# KiCad board matrix-x02-x06.kicad_pcb (continued)
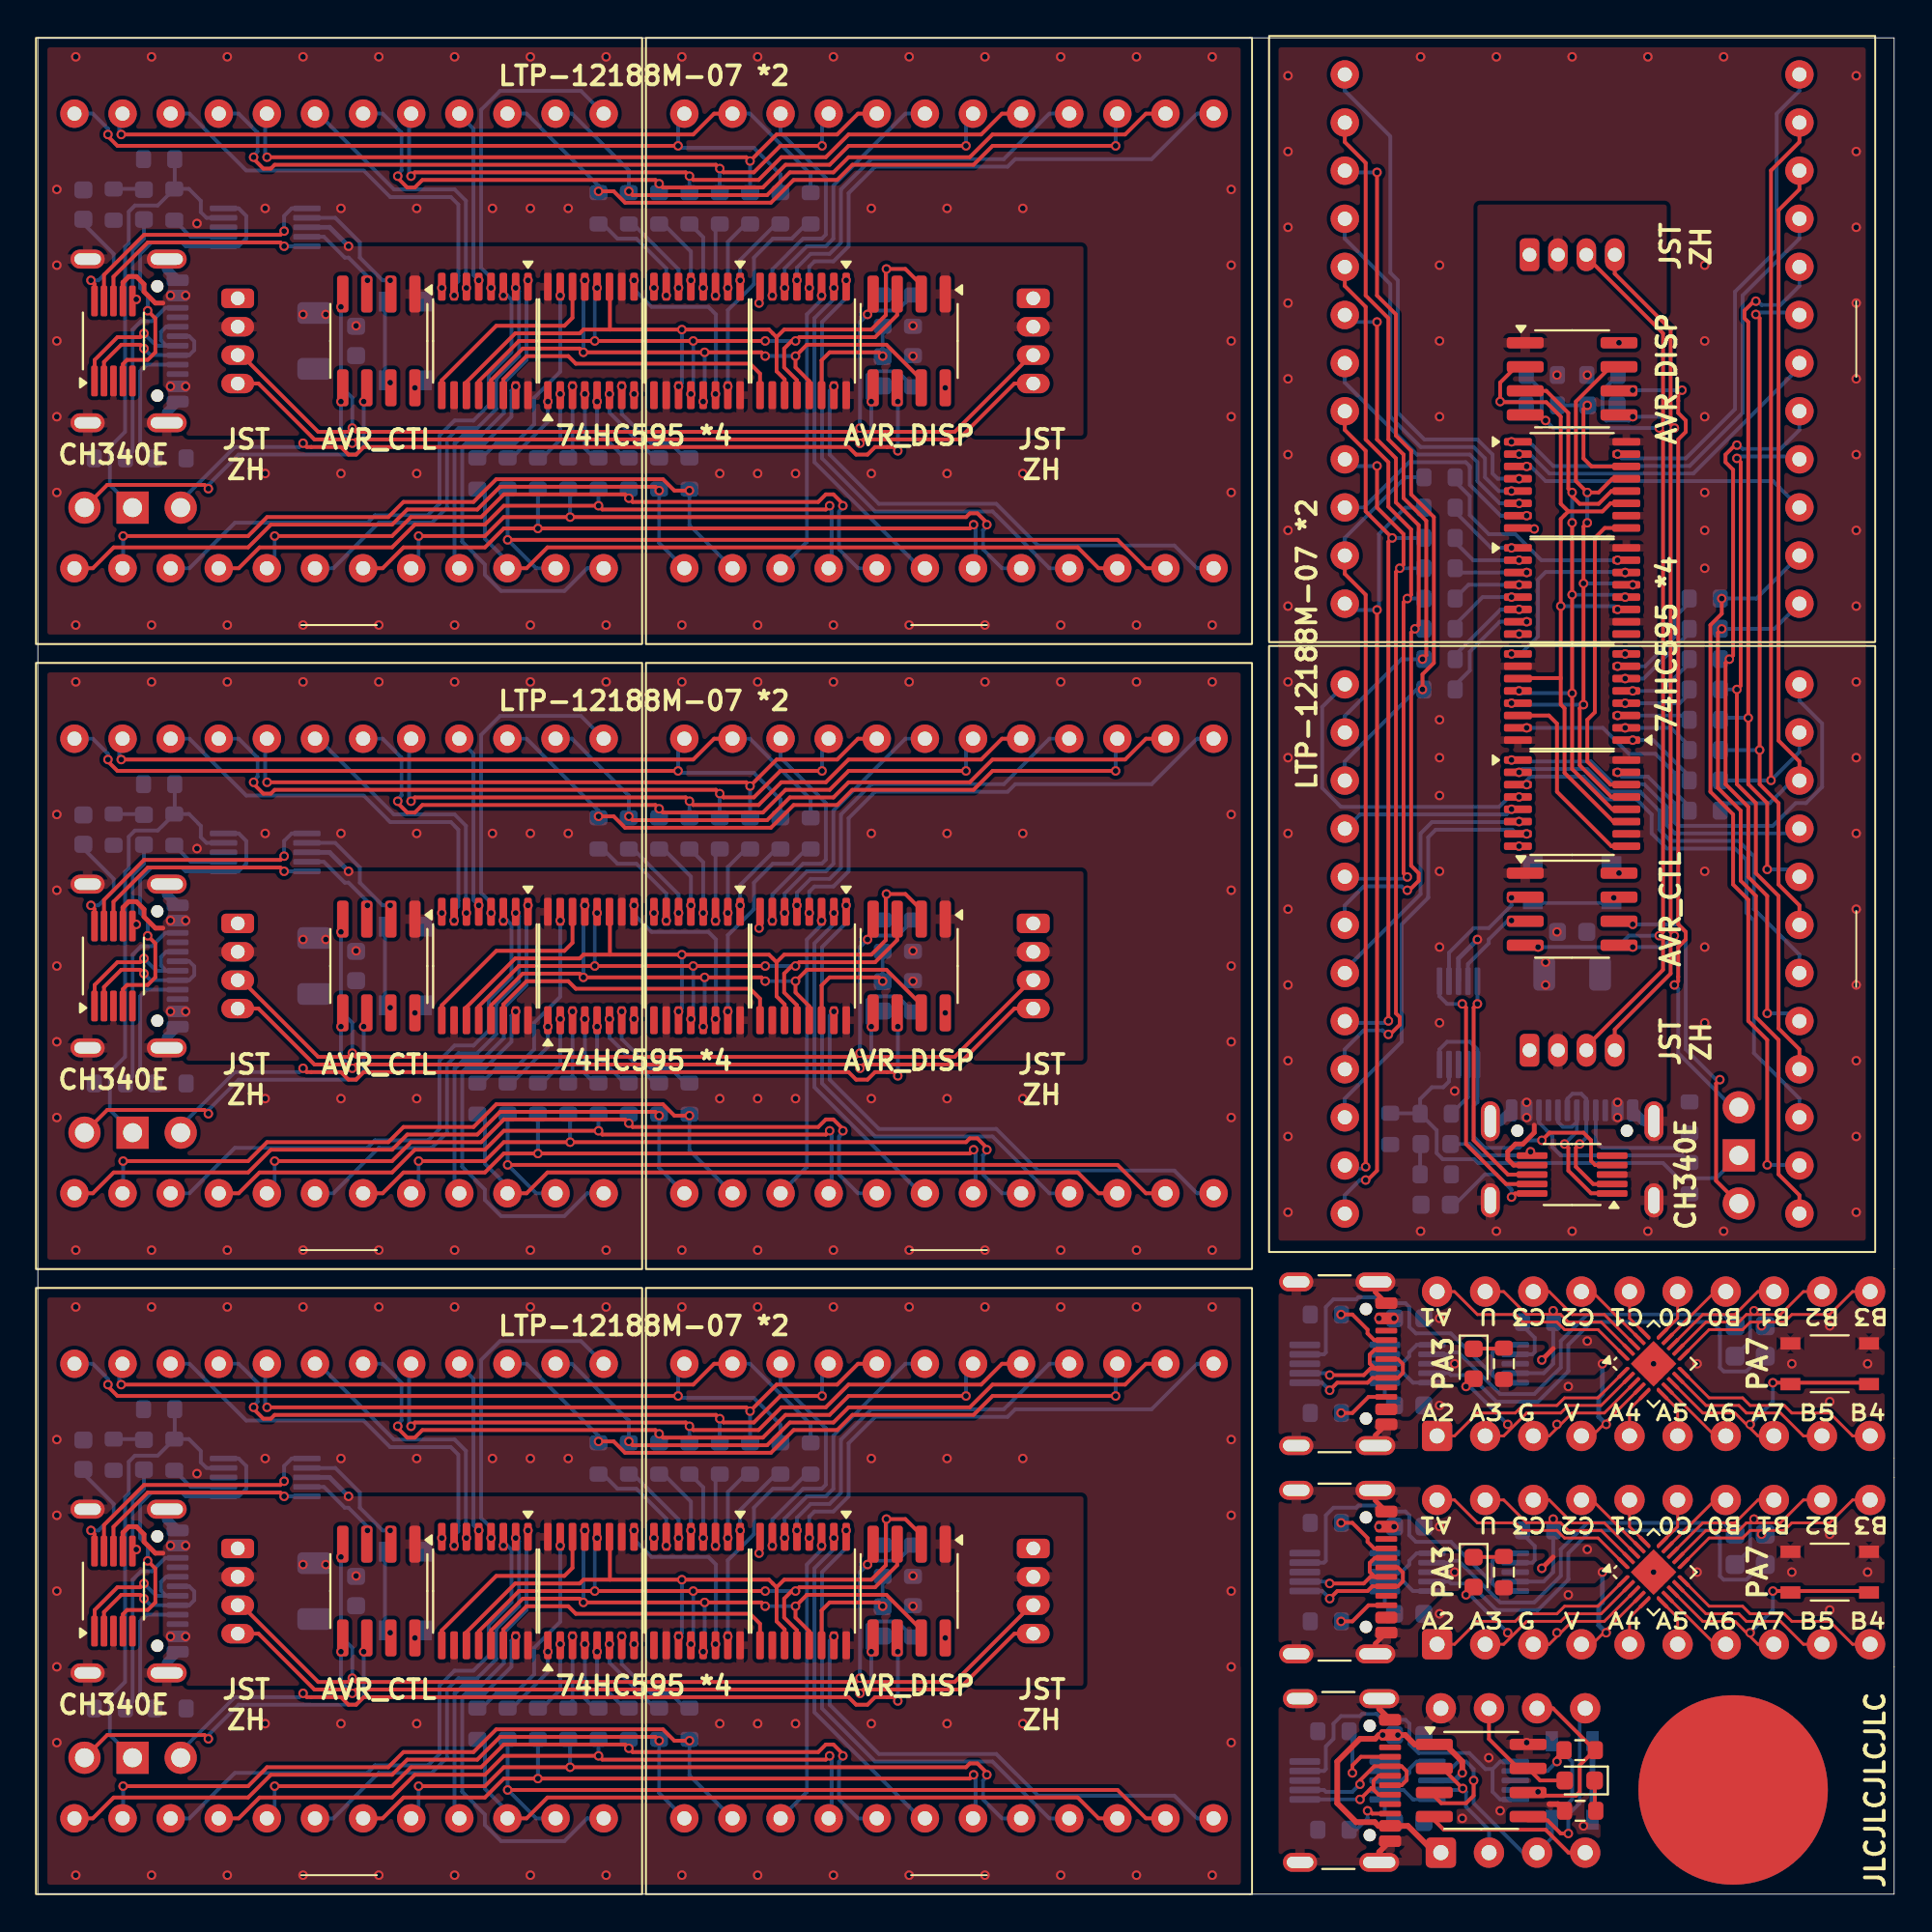
[diagram p0: board, top side]
## Routing (per net, layer and track width the routed paths; a pad name or vN(x,y) marks a point on that pad's centre or on a via; arc(x,y) is an arc through that point) (continued)
/ROW6: length 88.5
  Bottom w0.2: D1#7.6 93,49.6 90.6,52 90.6,54.8 89.8,55.6 86.2,55.6 85.6,56.2 85.6,57.2 84.6,58.2 83,58.2 81.8,59.4 78.38,59.4 v1(78.2,59.23) ; D1.6 15.6,37 18,39.4 20.8,39.4 21.6,40.2 21.6,43.8 22.2,44.4 23.2,44.4 24.2,45.4 24.2,47 25.4,48.2 25.4,51.62 v1(25.23,51.8) ; D1#5.6 15.6,70 18,72.4 20.8,72.4 21.6,73.2 21.6,76.8 22.2,77.4 23.2,77.4 24.2,78.4 24.2,80 25.4,81.2 25.4,84.62 v1(25.23,84.8) ; D1#6.6 15.6,4 18,6.4 20.8,6.4 21.6,7.2 21.6,10.8 22.2,11.4 23.2,11.4 24.2,12.4 24.2,14 25.4,15.2 25.4,18.62 v1(25.23,18.8)
/ROW7: length 70
  Bottom w0.2: v1(77.8,59.88) 77.88,59.8 82,59.8 83.2,58.6 84.8,58.6 86,57.4 86,56.43 86.4,56.03 86.4,56 92.75,56 D1#7.9 ; D1.9 22,37.25 22,43.6 22.03,43.6 22.43,44 23.4,44 24.6,45.2 24.6,46.8 25.8,48 25.8,52.12 v1(25.88,52.2) ; v1(25.88,19.2) 25.8,19.12 25.8,15 24.6,13.8 24.6,12.2 23.4,11 22.43,11 22.03,10.6 22,10.6 22,4.25 D1#6.9 ; D1#5.9 22,70.25 22,76.6 22.03,76.6 22.43,77 23.4,77 24.6,78.2 24.6,79.8 25.8,81 25.8,85.12 v1(25.88,85.2)
/ROW8: length 77.3
  Bottom w0.2: v1(25.23,13.6) 25,13.38 25,12 23.6,10.6 22.6,10.6 22.4,10.4 22.4,5.4 23.6,4.2 23.6,3.65 24.45,2.8 27.8,2.8 29,4 D1#6.12 ; D1.12 29,37 27.8,35.8 24.45,35.8 23.6,36.65 23.6,37.2 22.4,38.4 22.4,43.4 22.6,43.6 23.6,43.6 25,45 25,46.38 v1(25.23,46.6) ; v1(25.23,79.6) 25,79.38 25,78 23.6,76.6 22.6,76.6 22.4,76.4 22.4,71.4 23.6,70.2 23.6,69.65 24.45,68.8 27.8,68.8 29,70 D1#5.12 ; v1(83.4,59.23) 83.62,59 85,59 86.4,57.6 86.4,56.6 86.6,56.4 91.6,56.4 92.8,57.6 93.35,57.6 94.2,58.45 94.2,61.8 93,63 D1#7.12
/ROW9: length 49.3
  Bottom w0.2: D2#3.22 39.21,26.99 41.6,24.6 41.6,21.61 41.39,21.4 41.31,21.4 41.31,21.4 40.4,21.4 38.77,19.78 v1(38.77,18.4) ; v1(78.6,72.78) 77.22,72.78 75.6,74.4 75.6,75.31 75.6,75.31 75.6,75.39 75.39,75.6 72.4,75.6 70.01,73.21 D2#2.22 ; D2#4.22 39.21,92.99 41.6,90.6 41.6,87.61 41.39,87.4 41.31,87.4 41.31,87.4 40.4,87.4 38.77,85.78 v1(38.77,84.4) ; D2.22 39.21,59.99 41.6,57.6 41.6,54.61 41.39,54.4 41.31,54.4 41.31,54.4 40.4,54.4 38.77,52.78 v1(38.77,51.4)
/ROW10: length 53.8
  Bottom w0.2: D2#4.19 45.8,94 42,90.2 42,87.4 41.6,87 40.6,87 39.42,85.83 v1(39.42,84.8) ; D2#2.19 69,79.8 72.8,76 75.6,76 76,75.6 76,74.6 77.17,73.42 v1(78.2,73.42) ; D2#3.19 45.8,28 42,24.2 42,21.4 41.6,21 40.6,21 39.42,19.83 v1(39.42,18.8) ; v1(39.42,51.8) 39.42,52.83 40.6,54 41.6,54 42,54.4 42,57.2 45.8,61 D2.19
/ROW11: length 80.2
  Bottom w0.2: v1(77.8,74.08) 77.12,74.08 76.4,74.8 76.4,75.8 75.8,76.4 73,76.4 71.4,78 71.4,85 69,87.4 D2#2.16 ; D2#3.16 53.4,28 51,25.6 44,25.6 42.4,24 42.4,21.2 41.8,20.6 40.8,20.6 40.08,19.88 v1(40.08,19.2) ; D2.16 53.4,61 51,58.6 44,58.6 42.4,57 42.4,54.2 41.8,53.6 40.8,53.6 40.08,52.88 v1(40.08,52.2) ; D2#4.16 53.4,94 51,91.6 44,91.6 42.4,90 42.4,87.2 41.8,86.6 40.8,86.6 40.08,85.88 v1(40.08,85.2)
/ROW12: length 109.8
  Bottom w0.2: D2#4.13 61.2,94 58.8,91.6 51.6,91.6 51.2,91.2 44.2,91.2 42.8,89.8 42.8,87 42,86.2 41,86.2 40.73,85.92 v1(40.73,84.8) ; D2#2.13 69,95.2 71.4,92.8 71.4,85.6 71.8,85.2 71.8,78.2 73.2,76.8 76,76.8 76.8,76 76.8,75 77.08,74.72 v1(78.2,74.72) ; D2.13 61.2,61 58.8,58.6 51.6,58.6 51.2,58.2 44.2,58.2 42.8,56.8 42.8,54 42,53.2 41,53.2 40.73,52.92 v1(40.73,51.8) ; v1(40.73,18.8) 40.73,19.92 41,20.2 42,20.2 42.8,21 42.8,23.8 44.2,25.2 51.2,25.2 51.6,25.6 58.8,25.6 61.2,28 D2#3.13
/ROW13: length 61.2
  Bottom w0.2: D2#4.3 40.6,71.39 40.6,83.4 41.38,84.17 v1(41.38,84.4) ; D2.3 40.6,38.39 40.6,50.4 41.38,51.17 v1(41.38,51.4) ; v1(78.6,75.38) 78.83,75.38 79.6,74.6 91.61,74.6 D2#2.3 ; v1(41.38,18.4) 41.38,18.17 40.6,17.4 40.6,5.39 D2#3.3
/ROW14: length 71.1
  Bottom w0.2: D2#2.6 93,80.6 87.4,75 79.8,75 78.78,76.03 v1(78.2,76.03) ; D2.6 46.6,37 41,42.6 41,50.2 42.02,51.22 v1(42.02,51.8) ; D2#3.6 46.6,4 41,9.6 41,17.2 42.02,18.22 v1(42.02,18.8) ; D2#4.6 46.6,70 41,75.6 41,83.2 42.02,84.22 v1(42.02,84.8)
/ROW15: length 101.5
  Bottom w0.2: D2#4.9 53.4,70 50.4,73 44.2,73 41.4,75.8 41.4,83 42.67,84.28 v1(42.67,85.2) ; D2#3.9 53.4,4 50.4,7 44.2,7 41.4,9.8 41.4,17 42.67,18.28 v1(42.67,19.2) ; v1(77.8,76.67) 78.72,76.67 80,75.4 87.2,75.4 90,78.2 90,84.4 93,87.4 D2#2.9 ; v1(42.67,52.2) 42.67,51.28 41.4,50 41.4,42.8 44.2,40 50.4,40 53.4,37 D2.9
/ROW16: length 105.8
  Bottom w0.2: D2#2.12 93,95.2 91.8,94 91.8,86.8 89.6,84.6 89.6,78.4 87,75.8 83.62,75.8 v1(83.4,76.03) ; v1(42.02,46.6) 41.8,46.38 41.8,43 44.4,40.4 50.6,40.4 52.8,38.2 60,38.2 61.2,37 D2.12 ; v1(42.02,13.6) 41.8,13.38 41.8,10 44.4,7.4 50.6,7.4 52.8,5.2 60,5.2 61.2,4 D2#3.12 ; D2#4.12 61.2,70 60,71.2 52.8,71.2 50.6,73.4 44.4,73.4 41.8,76 41.8,79.38 v1(42.02,79.6)
/RTS#: length 68.2
  Top w0.2: U8#3.4 4.49,47.78 4.71,48 5.8,48 6.2,48.4 6.2,50.19 v1(5.8,50.6) ; U8#4.4 82.22,38.49 82,38.71 82,39.8 81.6,40.2 79.81,40.2 v1(79.4,39.8) ; v1(5.8,83.6) 6.2,83.19 6.2,81.4 5.8,81 4.71,81 4.49,80.78 U8#2.4 ; v1(5.8,17.6) 6.2,17.19 6.2,15.4 5.8,15 4.71,15 4.49,14.78 U8.4
  Bottom w0.2: U7#4.5 10.6,89 11,88.6 11,87.4 10.6,87 U7#4.1 7.81,87 7.61,87.2 6,87.2 5.4,86.6 5.4,84.8 5.8,84.4 5.8,83.78 5.8,83.78 v1(5.8,83.6) ; U7#3.5 10.6,56 11,55.6 11,54.4 10.6,54 U7#3.1 7.81,54 7.61,54.2 6,54.2 5.4,53.6 5.4,51.8 5.8,51.4 5.8,50.78 5.8,50.78 v1(5.8,50.6) ; U7#2.5 74,44.6 74.4,45 75.6,45 76,44.6 U7#2.1 76,41.81 75.8,41.61 75.8,40 76.4,39.4 78.2,39.4 78.6,39.8 79.22,39.8 79.22,39.8 v1(79.4,39.8) ; U7.5 10.6,23 11,22.6 11,21.4 10.6,21 U7.1 7.81,21 7.61,21.2 6,21.2 5.4,20.6 5.4,18.8 5.8,18.4 5.8,17.78 5.8,17.78 v1(5.8,17.6)
/RXD_AVR: length 17.1
  Bottom w0.2: U7#4.9 15.1,87.5 16.2,86.4 16.4,86.4 17.4,85.4 v1(17.4,85.2) ; U7#2.9 75.5,49.1 76.6,50.2 76.6,50.4 77.6,51.4 v1(77.8,51.4) ; v1(17.4,19.2) 17.4,19.4 16.4,20.4 16.2,20.4 15.1,21.5 U7.9 ; v1(17.4,52.2) 17.4,52.4 16.4,53.4 16.2,53.4 15.1,54.5 U7#3.9
/RXD_USB: length 56
  Top w0.2: U8#3.9 3.49,52.49 5.6,54.6 12.8,54.6 v1(13,54.8) ; v1(13,21.8) 12.8,21.6 5.6,21.6 3.49,19.49 U8.9 ; U8#2.9 3.49,85.49 5.6,87.6 12.8,87.6 v1(13,87.8) ; U8#4.9 77.51,37.49 75.4,39.6 75.4,46.8 v1(75.2,47)
  Bottom w0.2: v1(13,21.8) 13,22.6 13.4,23 U7.6 ; v1(75.2,47) 74.4,47 74,47.4 U7#2.6 ; v1(13,54.8) 13,55.6 13.4,56 U7#3.6 ; v1(13,87.8) 13,88.6 13.4,89 U7#4.6
/SCL: length 215.9
  Top w0.2: J1#5.4 11.65,46.75 14.6,43.8 16.4,43.8 v1(16.6,43.6) 16.8,43.8 43.2,43.8 v1(43.4,43.6) 43.6,43.8 45,43.8 48.6,43.8 51.55,46.75 J2#7.4 ; J2#5.4 51.55,13.75 48.6,10.8 45,10.8 43.6,10.8 v1(43.4,10.6) 43.2,10.8 16.8,10.8 v1(16.6,10.6) 16.4,10.8 14.6,10.8 11.65,13.75 J1#4.4 ; J1#6.4 83.25,45.65 86.2,48.6 86.2,50.4 v1(86.4,50.6) 86.2,50.8 86.2,77.2 v1(86.4,77.4) 86.2,77.6 86.2,79 86.2,79 86.2,82.6 83.25,85.55 J2#4.4 ; J1#3.4 11.65,79.75 14.6,76.8 16.4,76.8 v1(16.6,76.6) 16.8,76.8 43.2,76.8 v1(43.4,76.6) 43.6,76.8 45,76.8 48.6,76.8 51.55,79.75 J2#6.4
  Bottom w0.2: 46.2,79.58 45.38,80.4 44,80.4 43.8,80.2 43.8,79 v1(44,78.8) 44,77.2 v1(43.4,76.6) ; v1(16,78.8) 16,77.2 v1(16.6,76.6) ; v1(16.6,10.6) 16,11.2 v1(16,12.8) ; R19#2.1 45.38,14.4 44,14.4 43.8,14.2 43.8,13 v1(44,12.8) 44,11.2 v1(43.4,10.6) ; v1(16.6,43.6) 16,44.2 v1(16,45.8) ; v1(43.4,43.6) 44,44.2 v1(44,45.8) 43.8,46 43.8,47.2 44,47.4 45.38,47.4 R19#3.1 ; v1(86.4,50.6) 85.8,50 v1(84.2,50) ; v1(86.4,77.4) 85.8,78 v1(84.2,78) 84,77.8 82.8,77.8 82.6,78 82.6,79.38 R19#4.1
/SDA: length 245.3
  Top w0.2: J2#4.3 81.75,86.45 85.8,82.4 85.8,77.6 v1(85.6,77.4) 85.8,77.2 85.8,50.8 v1(85.6,50.6) 85.8,50.4 85.8,48.8 81.75,44.75 J1#6.3 ; J2#7.3 52.45,48.25 48.4,44.2 43.6,44.2 v1(43.4,44.4) 43.2,44.2 16.8,44.2 v1(16.6,44.4) 16.4,44.2 14.8,44.2 10.75,48.25 J1#5.3 ; J2#5.3 52.45,15.25 48.4,11.2 43.6,11.2 v1(43.4,11.4) 43.2,11.2 16.8,11.2 v1(16.6,11.4) 16.4,11.2 14.8,11.2 10.75,15.25 J1#4.3 ; J2#6.3 52.45,81.25 48.4,77.2 43.6,77.2 v1(43.4,77.4) 43.2,77.2 16.8,77.2 v1(16.6,77.4) 16.4,77.2 14.8,77.2 10.75,81.25 J1#3.3
  Bottom w0.2: v1(43.4,77.4) 43.4,83 v1(43.8,83.4) 44,83.6 45.38,83.6 46.2,84.42 ; v1(43.4,11.4) 43.4,17 v1(43.8,17.4) 44,17.6 45.38,17.6 R18#3.1 ; v1(85.6,50.6) 84,50.6 83.4,50 v1(79.2,50) ; v1(16,50.8) 16,46.6 16.6,46 v1(16.6,44.4) ; v1(43.4,44.4) 43.4,50 v1(43.8,50.4) 44,50.6 45.38,50.6 R18.1 ; R18#4.1 79.4,79.38 79.4,78 v1(79.6,77.8) 80,77.4 v1(85.6,77.4) ; v1(16,83.8) 16,79.6 16.6,79 v1(16.6,77.4) ; v1(16.6,11.4) 16.6,13 16,13.6 v1(16,17.8)
/SER: length 27.7
  Top w0.2: v1(44.6,15.2) 44.4,15.4 41.8,15.4 41.38,14.97 U4#3.14 ; U4#2.14 41.38,80.97 41.8,81.4 44.4,81.4 v1(44.6,81.2) ; v1(44.6,48.2) 44.4,48.4 41.8,48.4 41.38,47.97 U4#4.14 ; v1(81.8,78.6) 81.6,78.4 81.6,75.8 82.03,75.38 U4.14
  Bottom w0.2: C1.1 44.6,16.78 ; C1#2.1 R17.2 ; C1#5.1 44.6,49.78 ; C1#3.1 80.22,78.6
/SERCLK: length 158.8
  Top w0.2: U3#3.11 22.62,13.83 25.2,16.4 28.6,16.4 28.8,16.6 v1(34,16.6) 38.6,16.6 39,16.2 ; 39,82.2 39,80.4 39.42,79.97 U4#2.11 ; 39,82.2 39.4,82.6 44,82.6 44.76,83.36 44.76,85.76 v1(44.8,85.8) 45.8,85.8 46.64,84.97 U5#3.2 ; 39,82.2 38.6,82.6 v1(34,82.6) 28.8,82.6 28.6,82.4 25.2,82.4 22.62,79.83 U3#4.11 ; U5.2 46.64,18.97 45.8,19.8 v1(44.8,19.8) 44.76,19.76 44.76,17.36 44,16.6 39.4,16.6 39,16.2 ; 80.8,73 80.4,72.6 v1(80.4,68) 80.4,62.8 80.6,62.6 80.6,59.2 83.17,56.62 U3#2.11 ; 80.8,73 80.4,73.4 80.4,78 79.64,78.76 77.24,78.76 v1(77.2,78.8) 77.2,79.8 78.03,80.63 U5#4.2 ; 80.8,73 82.6,73 83.03,73.42 U4.11 ; 30.2,82.6 30.2,84.84 U2#4.11 ; 39,16.2 39,14.4 39.42,13.97 U4#3.11 ; U2#2.11 30.2,18.84 30.2,16.6 ; 30.2,49.6 30.2,51.84 U2.11 ; 39,49.2 39,47.4 39.42,46.97 U4#4.11 ; 39,49.2 38.6,49.6 v1(34,49.6) 28.8,49.6 28.6,49.4 25.2,49.4 22.62,46.83 U3.11 ; 39,49.2 39.4,49.6 44,49.6 44.76,50.36 44.76,52.76 v1(44.8,52.8) 45.8,52.8 46.64,51.97 U5#2.2 ; 80.4,64.2 78.16,64.2 U2#3.11
  Bottom w0.2: v1(34,16.6) 34,13.78 v1(33.83,13.6) ; v1(44.8,52.8) 44.8,51.42 ; v1(77.2,78.8) 78.58,78.8 ; v1(34,49.6) 34,46.78 v1(33.83,46.6) ; v1(44.8,19.8) 44.8,18.42 ; v1(34,82.6) 34,79.78 v1(33.83,79.6) ; v1(83.4,67.83) 83.22,68 v1(80.4,68) ; v1(44.8,85.8) 44.8,84.42
/TNOW: length 19.1
  Top w0.2: v1(5.2,18.2) 5.11,18.11 U8.6 ; U8#4.6 78.89,39.11 v1(78.8,39.2) ; U8#3.6 5.11,51.11 v1(5.2,51.2) ; v1(5.2,84.2) 5.11,84.11 U8#2.6
  Bottom w0.2: v1(78.8,39.2) 78.72,39.11 78.72,39.11 78.6,39 76.2,39 75.6,39.6 D3#2.2 ; v1(5.2,51.2) 5.11,51.28 5.11,51.28 5,51.4 5,53.8 5.6,54.4 D3#4.2 ; D3#3.2 5.6,21.4 5,20.8 5,18.4 5.11,18.28 5.11,18.28 v1(5.2,18.2) ; v1(5.2,84.2) 5.11,84.28 5.11,84.28 5,84.4 5,86.8 5.6,87.4 D3.2
/TXD_AVR: length 24.9
  Bottom w0.2: v1(18.6,52.2) 18.2,52.2 17,53.4 17,54.2 15.7,55.5 U7#3.7 ; U7#4.7 15.7,88.5 17,87.2 17,86.4 18.2,85.2 v1(18.6,85.2) ; U7.7 15.7,22.5 17,21.2 17,20.4 18.2,19.2 v1(18.6,19.2) ; U7#2.7 74.5,49.7 75.8,51 76.6,51 77.8,52.2 v1(77.8,52.6)
/TXD_USB: length 49.3
  Top w0.2: v1(13,21) 12.8,21.2 5.8,21.2 3.99,19.39 U8.8 ; U8#3.8 3.99,52.39 5.8,54.2 12.8,54.2 v1(13,54) ; U8#4.8 77.61,37.99 75.8,39.8 75.8,46.8 v1(76,47) ; U8#2.8 3.99,85.39 5.8,87.2 12.8,87.2 v1(13,87)
  Bottom w0.2: v1(13,87) U7#4.10 ; v1(13,54) U7#3.10 ; v1(13,21) U7.10 ; v1(76,47) U7#2.10
BTN: length 16.6
  Bottom w0.2: SW1#3.1 SW1#3.1 ; SW1#6.1 SW1#6.1 ; SW1#4.1 SW1#4.1 ; SW1#5.1 SW1#5.1
  vias: v1(18.6,79.8) v1(18.6,46.8) v1(18.6,13.8) v1(83.2,52.6)
D+: length 55.8
  Top w0.2: v1(5.6,82.4) 5.4,82.2 4.2,82.2 3,81 3,79.9 U8#2.1 ; U8.1 3,13.9 3,15 4.2,16.2 5.4,16.2 v1(5.6,16.4) ; J3.B6 70.78,5.25 70.51,5.52 ; v1(69.8,5) 70.4,5.6 70.43,5.6 70.51,5.52 ; v1(5.6,49.4) 5.4,49.2 4.2,49.2 3,48 3,46.9 U8#3.1 ; v1(68.2,15.6) 68.6,16 70.2,16 70.45,16.25 J2#3.B6 71.8,16.25 72.07,16.52 72.07,16.98 71.8,17.25 J2#3.A6 ; 70.51,5.52 70.51,5.98 70.78,6.25 J3.A6 ; U8#4.1 83.1,37 82,37 80.8,38.2 80.8,39.4 v1(80.6,39.6) ; v1(68.2,26.6) 68.6,27 70.2,27 70.45,27.25 J2.B6 71.8,27.25 72.07,27.52 72.07,27.98 71.8,28.25 J2.A6
  Bottom w0.2: J3#4.B6 6.77,82.75 6.5,82.48 6.5,82.02 6.77,81.75 J3#4.A6 6.25,81.75 v1(5.6,82.4) ; v1(5.6,16.4) 6.25,15.75 J3#5.A6 6.77,15.75 6.5,16.02 6.5,16.48 6.77,16.75 J3#5.B6 ; v1(69.8,5) U2#7.1 ; J3#3.B6 6.77,49.75 6.5,49.48 6.5,49.02 6.77,48.75 J3#3.A6 6.25,48.75 v1(5.6,49.4) ; v1(80.6,39.6) 81.25,40.25 J3#2.A6 81.25,40.77 80.98,40.5 80.52,40.5 80.25,40.77 J3#2.B6 ; U2#6.1 67.8,27 v1(68.2,26.6) ; v1(68.2,15.6) 67.8,16 U2#5.1
D-: length 53.3
  Top w0.2: v1(5.6,48.6) 5.4,48.8 4.4,48.8 3.49,47.89 U8#3.2 ; v1(69.8,5.8) 69.8,6 70.55,6.75 J3.B7 72,6.75 72.27,6.48 72.27,6.02 72,5.75 J3.A7 ; v1(68.2,16.4) 70,16.4 70.35,16.75 J2#3.A7 70.58,16.75 70.31,17.02 70.31,17.48 70.58,17.75 J2#3.B7 ; v1(81.4,39.6) 81.2,39.4 81.2,38.4 82.11,37.49 U8#4.2 ; v1(5.6,15.6) 5.4,15.8 4.4,15.8 3.49,14.89 U8.2 ; v1(5.6,81.6) 5.4,81.8 4.4,81.8 3.49,80.89 U8#2.2 ; J2.B7 70.58,28.75 70.31,28.48 70.31,28.02 70.58,27.75 J2.A7 70.35,27.75 70,27.4 v1(68.2,27.4)
  Bottom w0.2: J3#5.A7 7.99,16.25 8.26,15.98 8.26,15.52 7.99,15.25 J3#5.B7 5.95,15.25 v1(5.6,15.6) ; J3#3.A7 7.99,49.25 8.26,48.98 8.26,48.52 7.99,48.25 J3#3.B7 5.95,48.25 v1(5.6,48.6) ; v1(68.2,16.4) 68.1,16.5 U2#5.2 ; v1(81.4,39.6) 81.75,39.95 J3#2.B7 81.75,41.99 81.48,42.26 81.02,42.26 80.75,41.99 J3#2.A7 ; U2#7.2 67.9,5.5 68,5.4 69.4,5.4 v1(69.8,5.8) ; U2#6.2 68.1,27.5 v1(68.2,27.4) ; v1(5.6,81.6) 5.95,81.25 J3#4.B7 7.99,81.25 8.26,81.52 8.26,81.98 7.99,82.25 J3#4.A7
PA1: length 31.1
  Top w0.15: J1#2.20 74.79,31.81 76,30.6 78,30.6 78.4,30.2 80.2,30.2 80.6,29.8 82.37,29.8 U1#5.20 ; J1.20 74.79,20.81 76,19.6 78,19.6 78.4,19.2 80.2,19.2 80.6,18.8 82.37,18.8 U1#6.20
  Top w0.2: 73.72,3.89 74.22,3.4 79.6,3.4 80.81,2.19 J2#2.4
PA2: length 31.8
  Top w0.15: U1#6.1 82.37,15.2 80.6,15.2 80.2,14.8 78.4,14.8 78,14.4 76,14.4 74.79,13.19 J1.1 ; J1#2.1 74.79,24.19 76,25.4 78,25.4 78.4,25.8 80.2,25.8 80.6,26.2 82.37,26.2 U1#5.1
  Top w0.2: 78.67,3.89 79.7,3.89 80.4,3.2 v1(80.8,3.2)
  Bottom w0.2: v1(80.8,3.2) 80.8,4.2 81.4,4.8 81.4,9.52 J2#2.5
PA3: length 31.4
  Top w0.15: U1#5.2 82.53,25.8 80.8,25.8 80.4,25.4 78.6,25.4 77.39,24.19 J1#2.2 ; U1#6.2 82.53,14.8 80.8,14.8 80.4,14.4 78.6,14.4 77.39,13.19 J1.2
  Top w0.2: J2#2.7 76.61,8.19 78.17,6.64 U1#3.7 79.31,6 D1#3.2 ; v1(75.4,15.8) 75.8,16.2 D1#4.2 ; v1(75.4,26.8) 75.8,27.2 D1#2.2
  Bottom w0.2: v1(75.4,26.8) 75.6,26.8 v1(77.6,24.8) ; v1(77.6,13.8) 75.6,15.8 v1(75.4,15.8)
PA4: length 5.1
  Top w0.15: U1#5.5 84.03,25.6 J1#2.5 ; J1.5 84.03,14.6 U1#6.5
PA5: length 5.1
  Top w0.15: J1.6 86.57,14.6 U1#6.6 ; U1#5.6 86.57,25.6 J1#2.6
PA6: length 15.8
  Top w0.15: U1#6.7 88.54,13.19 J1.7 ; J1#2.7 88.54,24.19 U1#5.7
  Top w0.2: 73.72,6.64 74.17,6.64 v1(75.22,5.58)
  Bottom w0.2: U3#6.7 75.15,5.5 v1(75.22,5.58) 75.4,5.4 75.4,4.6 76.61,3.39 J2#2.2
PA7: length 47.7
  Top w0.15: U1#6.8 87.9,14.4 89.6,14.4 90.81,13.19 J1.8 ; U1#5.8 87.9,25.4 89.6,25.4 90.81,24.19 J1#2.8
  Top w0.2: SW1.1 96.6,16 v1(91.6,16) ; SW1#2.1 96.6,27 v1(91.6,27) ; 73.72,5.17 74.09,4.8 75.4,4.8 75.8,5.2 v1(75.8,6)
  Bottom w0.2: v1(90.4,24.8) 91.6,26 v1(91.6,27) ; v1(90.4,13.8) 91.6,15 v1(91.6,16) ; U3#6.9 74.5,6.5 75,7 75.4,7 75.8,6.6 75.8,4.8 78.41,2.19 J2#2.3 79.92,2.97 SW1#7.2 81,5 81,7 SW1#7.2
PB0: length 8.2
  Top w0.15: J1#2.14 88.54,31.81 U1#5.14 ; J1.14 88.54,20.81 U1#6.14
PB1: length 13
  Top w0.15: J1.13 90.81,20.81 89.6,19.6 87.9,19.6 U1#6.13 ; J1#2.13 90.81,31.81 89.6,30.6 87.9,30.6 U1#5.13
PB2: length 23.3
  Top w0.15: J1.12 93.21,20.81 92,19.6 90.2,19.6 89.8,19.2 88.07,19.2 U1#6.12 ; J1#2.12 93.21,31.81 92,30.6 90.2,30.6 89.8,30.2 88.07,30.2 U1#5.12
  Bottom w0.2: JP1#3.4 90.4,29.2 90.4,30.6 v1(90.6,30.8) ; v1(90.6,19.8) 90.4,19.6 90.4,18.2 JP1#5.4
PB3: length 22.5
  Top w0.15: J1#2.11 95.81,31.81 94.6,30.6 92.6,30.6 92.2,30.2 90.4,30.2 90,29.8 88.23,29.8 U1#5.11 ; U1#6.11 88.23,18.8 90,18.8 90.4,19.2 92.2,19.2 92.6,19.6 94.6,19.6 95.81,20.81 J1.11
  vias: v1(91,30) v1(91,19)
PB4: length 22.5
  Top w0.15: U1#6.10 88.23,15.2 90,15.2 90.4,14.8 92.2,14.8 92.6,14.4 94.6,14.4 95.81,13.19 J1.10 ; J1#2.10 95.81,24.19 94.6,25.4 92.6,25.4 92.2,25.8 90.4,25.8 90,26.2 88.23,26.2 U1#5.10
PB5: length 17.7
  Top w0.15: U1#5.9 88.07,25.8 89.8,25.8 90.2,25.4 92,25.4 93.21,24.19 J1#2.9 ; J1.9 93.21,13.19 92,14.4 90.2,14.4 89.8,14.8 88.07,14.8 U1#6.9
PC0: length 5.1
  Top w0.15: U1#5.15 86.57,30.4 J1#2.15 ; U1#6.15 86.57,19.4 J1.15
PC1: length 5.1
  Top w0.15: U1#5.16 84.03,30.4 J1#2.16 ; J1.16 84.03,19.4 U1#6.16
PC2: length 8.2
  Top w0.15: U1#6.17 82.06,20.81 J1.17 ; J1#2.17 82.06,31.81 U1#5.17
PC3: length 13
  Top w0.15: U1#6.18 82.7,19.6 81,19.6 79.79,20.81 J1.18 ; U1#5.18 82.7,30.6 81,30.6 79.79,31.81 J1#2.18
RTS#: length 55.7
  Bottom w0.2: U3#5.5 77.2,16 76.8,16.4 ; 76.8,27.4 76.8,28.6 77.2,29 U3#7.1 ; 76.8,27.4 74.6,29.6 72.75,29.6 72.4,29.95 72.4,31 72.2,31.2 70.92,31.2 70.6,31.52 69.72,31.52 69.6,31.4 68.4,31.4 68,31 68,28.6 67.9,28.5 U2#6.4 ; 76.8,27.4 77.2,27 U3#7.5 ; 76.8,6.6 77.2,7 U3#6.1 ; 76.8,6.6 76.8,5.4 77.2,5 U3#6.5 ; 76.8,6.6 76.42,6.6 75.57,7.45 72.9,7.45 72.41,7.94 72.41,9 72.21,9.2 71,9.2 70.68,9.52 69.92,9.52 69.8,9.4 68.8,9.4 68.4,9 68.4,8.2 68,7.8 68,6.6 67.9,6.5 U2#7.4 ; 76.8,16.4 76.8,17.6 77.2,18 U3#5.1 ; 76.8,16.4 74.6,18.6 72.75,18.6 72.4,18.95 72.4,20 72.2,20.2 70.92,20.2 70.6,20.52 69.72,20.52 69.6,20.4 68.4,20.4 68,20 68,17.6 67.9,17.5 U2#5.4
RXD: length 8.1
  Bottom w0.2: U2#7.9 72.1,5.5 72.6,5 U3#6.6 ; U2#6.9 72.1,27.5 72.6,27 U3#7.6 ; U3#5.6 72.6,16 72.1,16.5 U2#5.9
TXD: length 9.1
  Bottom w0.2: U2#6.8 72,28 72.4,28.4 72.4,28.6 72.8,29 U3#7.10 ; U2#7.8 72,6 72.4,6.4 72.4,6.6 72.8,7 U3#6.10 ; U3#5.10 72.8,18 72.4,17.6 72.4,17.4 72,17 U2#5.8
UPDI: length 135.1
  Top w0.15: U1#6.19 82.53,19.2 80.8,19.2 80.39,19.61 78.59,19.61 77.39,20.81 J1.19 ; J1#2.19 77.39,31.81 78.59,30.61 80.39,30.61 80.8,30.2 82.53,30.2 U1#5.19
  Top w0.2: 82.2,7.6 81.4,6.8 81.4,5.4 81.2,5.2 79.4,5.2 v1(79.2,5.4) ; 82.2,7.6 79.99,9.81 J2#2.6 ; 82.2,7.6 82.22,7.6
  Bottom w0.2: R20#2.2 7.98,24.03 8.6,23.4 8.6,22.8 8.9,22.5 U7.4 ; R20#2.2 7.23,24.05 R24#2.2 ; R20#2.2 6.33,23.15 5.12,23.15 4.8,22.83 4.8,21.17 4.6,20.97 4.6,11.2 3.8,10.4 3.8,8.4 JP1#6.2 ; 71.4,41.22 72.95,41.22 R20.2 ; R20.2 72.97,41.97 73.6,42.6 74.2,42.6 74.5,42.9 U7#2.4 ; R20.2 73.85,40.33 73.85,39.12 74.17,38.8 75.83,38.8 76.03,38.6 85.8,38.6 86.6,37.8 88.6,37.8 JP1#2.2 ; R20#4.2 7.98,90.03 8.6,89.4 8.6,88.8 8.9,88.5 U7#4.4 ; R20#4.2 7.23,90.05 R24.2 ; R20#4.2 6.33,89.15 5.12,89.15 4.8,88.83 4.8,87.17 4.6,86.97 4.6,77.2 3.8,76.4 3.8,74.4 JP1.2 ; v1(79.2,5.4) 79.1,5.5 U3#6.4 ; U3#5.4 79.5,16.5 80,17 80,19.17 R5#2.2 ; R5#4.2 80,30.17 80,28 79.5,27.5 U3#7.4 ; 7.2,57.02 7.23,57.05 R24#3.2 ; 7.2,57.02 7.98,57.02 8.6,56.4 8.6,55.8 8.9,55.5 U7#3.4 ; 7.2,57.02 6.33,56.15 5.12,56.15 4.8,55.83 4.8,54.17 4.6,53.97 4.6,44.2 3.8,43.4 3.8,41.4 JP1#4.2
  vias: v1(80,30.8) v1(80,19.8)
UPDI_CTL: length 74.9
  Top w0.2: v1(9,8.2) 8.8,8.4 3.66,8.4 JP1#6.3 ; v1(9,41.2) 8.8,41.4 3.66,41.4 JP1#4.3 ; JP1#2.3 88.6,37.66 88.6,42.8 v1(88.8,43) ; v1(9,74.2) 8.8,74.4 3.66,74.4 JP1.3
  Bottom w0.2: v1(88.8,43) 88.6,43 87,44.6 87,50.78 86.58,51.2 v1(84.2,51.2) ; v1(17.2,12.8) 17.2,10.42 16.78,10 10.6,10 9,8.4 v1(9,8.2) ; v1(17.2,45.8) 17.2,43.42 16.78,43 10.6,43 9,41.4 v1(9,41.2) ; v1(9,74.2) 9,74.4 10.6,76 16.78,76 17.2,76.42 v1(17.2,78.8)
UPDI_DISP: length 171.6
  Top w0.2: v1(14,10.6) 14.2,10.4 14.43,10.4 14.43,10.4 16,10.4 16.4,10 16.8,10 17.2,10.4 42.8,10.4 43.2,10 43.8,10 44.2,10.4 44.83,10.4 44.83,10.4 45.2,10.4 v1(45.4,10.2) ; v1(45.4,76.2) 45.2,76.4 44.83,76.4 44.83,76.4 44.2,76.4 43.8,76 43.2,76 42.8,76.4 17.2,76.4 16.8,76 16.4,76 16,76.4 14.43,76.4 14.43,76.4 14.2,76.4 v1(14,76.6) ; v1(86.8,79.4) 86.6,79.2 86.6,78.83 86.6,78.83 86.6,78.2 87,77.8 87,77.2 86.6,76.8 86.6,51.2 87,50.8 87,50.4 86.6,50 86.6,48.43 86.6,48.43 86.6,48.2 v1(86.4,48) ; v1(14,43.6) 14.2,43.4 14.43,43.4 14.43,43.4 16,43.4 16.4,43 16.8,43 17.2,43.4 42.8,43.4 43.2,43 43.8,43 44.2,43.4 44.83,43.4 44.83,43.4 45.2,43.4 v1(45.4,43.2)
  Bottom w0.2: JP1#4.1 7.54,40.54 10.4,43.4 13.8,43.4 v1(14,43.6) ; JP1.1 7.54,73.54 10.4,76.4 13.8,76.4 v1(14,76.6) ; v1(14,10.6) 13.8,10.4 10.4,10.4 7.54,7.54 JP1#6.1 ; v1(45.4,45.8) v1(45.4,43.2) ; v1(45.4,78.8) v1(45.4,76.2) ; v1(84.2,79.4) v1(86.8,79.4) ; JP1#2.1 89.46,41.54 86.6,44.4 86.6,47.8 v1(86.4,48) ; v1(45.4,12.8) v1(45.4,10.2)
Net-(D1-K): length 4.9
  Top w0.2: R6.1 77.38,17.8 75.81,17.8 D1#4.1 ; D1#3.1 82.2,5.99 82.2,4.45 R1.1 ; D1#2.1 75.81,28.8 77.38,28.8 R6#2.1
Net-(D3-K): length 6.5
  Bottom w0.2: D3#4.1 5.56,57.02 4,57.02 ; R21#4.2 5.56,24.03 D3#3.1 ; D3.1 5.56,90.03 R21#3.2 ; R21#2.2 72.97,39.56 D3#2.1
Net-(J2-CC1): length 6.2
  Top w0.2: J2.A5 70.55,29.25 70.2,29.6 70.2,29.8 69.4,30.6 v1(68.8,30.6) ; v1(68.8,19.6) 69.4,19.6 70.2,18.8 70.2,18.6 70.55,18.25 J2#3.A5
  Bottom w0.2: v1(68.8,19.6) R1#5.1 ; v1(68.8,30.6) R1#2.1
Net-(J2-CC2): length 5.5
  Top w0.2: J2#3.B5 70.25,15.25 69.4,14.4 v1(68.8,14.4) ; v1(68.8,25.4) 69.4,25.4 70.25,26.25 J2.B5
Net-(J3-CC1): length 33
  Top w0.2: J3.A5 69.85,7.25 69.4,6.8 v1(69.4,6.4)
  Bottom w0.2: R22.2 5.4,43.58 5.4,47.4 5.75,47.75 J3#3.A5 ; 69.22,8.6 69.4,8.42 v1(69.4,6.4) ; R22#2.2 5.4,76.58 5.4,80.4 5.75,80.75 J3#4.A5 ; J3#2.A5 82.25,39.75 82.6,39.4 86.42,39.4 R22#3.2 ; J3#5.A5 5.75,14.75 5.4,14.4 5.4,10.58 R22#4.2
Net-(J3-CC2): length 42.1
  Top w0.2: v1(70.2,4.4) 70.3,4.4 70.45,4.25 J3.B5
  Bottom w0.2: J3#4.B5 6.73,83.75 6.02,83.04 5.44,83.04 5,82.6 5,76.17 R23#4.2 ; v1(70.2,4.4) 70.2,4 69.6,3.4 69.22,3.4 ; J3#3.B5 6.73,50.75 6.02,50.04 5.44,50.04 5,49.6 5,43.17 R23.2 ; R23#3.2 86.83,39 80.4,39 79.96,39.44 79.96,40.02 79.25,40.73 J3#2.B5 ; R23#2.2 5,10.17 5,16.6 5.44,17.04 6.02,17.04 6.73,17.75 J3#5.B5
Net-(JP1-Pad1): length 39.5
  Bottom w0.2: U3#7.9 74.5,28.5 74.6,28.6 75,28.6 77.2,26.4 79,26.4 80.4,27.8 80.4,29.2 81.8,30.6 89,30.6 JP1#3.1 ; U3#5.9 74.5,17.5 74.6,17.6 75,17.6 77.2,15.4 79,15.4 80.4,16.8 80.4,18.2 81.8,19.6 89,19.6 JP1#5.1
Net-(JP1-Pad3): length 46.7
  Bottom w0.2: JP1#3.3 91,28.4 90.2,27.6 89,27.6 88.8,27.8 88.8,29.51 88.8,29.8 88.4,30.2 82,30.2 80.8,29 80.8,27.63 80.8,27.63 80.8,27.6 79.2,26 79.17,26 79.17,26 77.03,26 77.03,26 77,26 75.6,27.4 74.6,27.4 74.5,27.5 U3#7.7 ; JP1#5.3 91,17.4 90.2,16.6 89,16.6 88.8,16.8 88.8,18.51 88.8,18.8 88.4,19.2 82,19.2 80.8,18 80.8,16.63 80.8,16.63 80.8,16.6 79.2,15 79.17,15 79.17,15 77.03,15 77.03,15 77,15 75.6,16.4 74.6,16.4 74.5,16.5 U3#5.7
Net-(R2-Pad1): length 3.2
  Top w0.2: v1(80.2,7) 80.2,7.2 80.58,7.58 R2.1
  Bottom w0.2: U3#6.2 79.7,6.5 v1(80.2,7)
Net-(R5-Pad1): length 5.8
  Bottom w0.2: U3#5.2 78.9,17.5 79.03,17.63 79.03,18.37 78.38,19.03 R5#2.1 ; U3#7.2 78.9,28.5 79.03,28.63 79.03,29.37 78.38,30.03 R5#4.1
Net-(R20-Pad1): length 11.8
  Bottom w0.2: U7#2.2 75.5,42.08 R20.1 ; U7.2 8.07,21.5 R20#2.1 ; U7#3.2 8.07,54.5 R20#3.1 ; R20#4.1 8.07,87.5 U7#4.2
Net-(U1-QA): length 44.4
  Bottom w0.2: R1#7.1 40.58,22.17 39.8,21.4 38.8,21.4 37.8,20.4 37.8,19 36.42,17.62 v1(36.42,13.6) ; R1#6.1 74.83,74.58 75.6,73.8 75.6,72.8 76.6,71.8 78,71.8 79.38,70.42 v1(83.4,70.42) ; v1(36.42,79.6) 36.42,83.62 37.8,85 37.8,86.4 38.8,87.4 39.8,87.4 40.58,88.17 R1#4.1 ; R1#3.1 40.58,55.17 39.8,54.4 38.8,54.4 37.8,53.4 37.8,52 36.42,50.62 v1(36.42,46.6)
Net-(U1-QB): length 15.9
  Bottom w0.2: v1(37.08,52.2) 37.08,53.28 38.98,55.17 R2#6.1 ; R2#5.1 38.98,88.17 37.08,86.28 v1(37.08,85.2) ; v1(77.8,71.08) 76.72,71.08 74.83,72.97 R2#2.1 ; R2#4.1 38.98,22.17 37.08,20.28 v1(37.08,19.2)
Net-(U1-QC): length 16
  Bottom w0.2: R3#5.1 74.83,71.38 75.78,70.42 v1(78.2,70.42) ; R3#3.1 37.38,22.17 36.42,21.22 v1(36.42,18.8) ; v1(36.42,51.8) 36.42,54.23 37.38,55.17 R3#4.1 ; v1(36.42,84.8) 36.42,87.22 37.38,88.17 R3.1
Net-(U1-QD): length 15.5
  Bottom w0.2: v1(35.77,18.4) 35.77,21.95 R4#5.1 ; R4#4.1 35.77,87.95 v1(35.77,84.4) ; v1(78.6,69.78) 75.05,69.78 R4#2.1 ; v1(35.77,51.4) 35.77,54.95 R4.1
Net-(U1-QE): length 14.8
  Bottom w0.2: R5.1 74.83,68.42 75.53,69.12 v1(78.2,69.12) ; v1(35.12,51.8) 35.12,54.48 34.42,55.17 R5#3.1 ; R5#6.1 34.42,22.17 35.12,21.47 v1(35.12,18.8) ; R5#5.1 34.42,88.17 35.12,87.47 v1(35.12,84.8)
Net-(U1-QF): length 15.2
  Bottom w0.2: v1(34.48,19.2) 34.48,20.72 33.02,22.17 R6#6.1 ; R6#3.1 33.02,55.17 34.48,53.72 v1(34.48,52.2) ; R6#4.1 33.02,88.17 34.48,86.72 v1(34.48,85.2) ; R6#5.1 74.83,67.03 76.28,68.47 v1(77.8,68.47)
Net-(U1-QG): length 18.4
  Bottom w0.2: R7#3.1 31.42,55.17 33.83,52.78 v1(33.83,51.8) ; R7.1 31.42,88.17 33.83,85.78 v1(33.83,84.8) ; R7#2.1 31.42,22.17 33.83,19.78 v1(33.83,18.8) ; R7#4.1 74.83,65.42 77.22,67.83 v1(78.2,67.83)
Net-(U1-QH): length 23.9
  Bottom w0.2: R8#2.1 29.83,55.17 30.6,54.4 31.6,54.4 33.17,52.83 v1(33.17,51.4) ; v1(78.6,67.17) 77.17,67.17 75.6,65.6 75.6,64.6 74.83,63.83 R8#4.1 ; v1(33.17,84.4) 33.17,85.83 31.6,87.4 30.6,87.4 29.83,88.17 R8.1 ; R8#3.1 29.83,22.17 30.6,21.4 31.6,21.4 33.17,19.83 v1(33.17,18.4)
Net-(U1-SER): length 38.2
  Bottom w0.2: v1(35.77,79.2) 35.8,79.22 35.8,83.4 35.4,83.8 32.4,83.8 31.48,84.72 v1(31.48,85.2) ; v1(77.8,65.47) 78.28,65.47 79.2,66.4 79.2,69.4 79.6,69.8 83.78,69.8 v1(83.8,69.78) ; v1(35.77,13.2) 35.8,13.22 35.8,17.4 35.4,17.8 32.4,17.8 31.48,18.72 v1(31.48,19.2) ; v1(35.77,46.2) 35.8,46.22 35.8,50.4 35.4,50.8 32.4,50.8 31.48,51.72 v1(31.48,52.2)
Net-(U2-QA): length 44.4
  Bottom w0.2: R16#4.1 23.42,42.83 24.2,43.6 25.2,43.6 26.2,44.6 26.2,46 27.58,47.38 v1(27.58,51.4) ; R16.1 23.42,75.83 24.2,76.6 25.2,76.6 26.2,77.6 26.2,79 27.58,80.38 v1(27.58,84.4) ; v1(27.58,18.4) 27.58,14.38 26.2,13 26.2,11.6 25.2,10.6 24.2,10.6 23.42,9.83 R16#2.1 ; v1(78.6,61.58) 82.62,61.58 84,60.2 85.4,60.2 86.4,59.2 86.4,58.2 87.17,57.42 R16#3.1
Net-(U2-QB): length 15.9
  Bottom w0.2: R15#2.1 87.17,59.02 85.28,60.92 v1(84.2,60.92) ; R15#4.1 25.02,42.83 26.92,44.72 v1(26.92,45.8) ; R15#3.1 25.02,9.83 26.92,11.72 v1(26.92,12.8) ; v1(26.92,78.8) 26.92,77.72 25.02,75.83 R15.1
Net-(U2-QC): length 16
  Bottom w0.2: R14.1 26.62,75.83 27.58,76.78 v1(27.58,79.2) ; R14#4.1 87.17,60.62 86.22,61.58 v1(83.8,61.58) ; R14#2.1 26.62,9.83 27.58,10.78 v1(27.58,13.2) ; R14#3.1 26.62,42.83 27.58,43.78 v1(27.58,46.2)
Net-(U2-QD): length 15.5
  Bottom w0.2: R13.1 28.23,10.05 v1(28.23,13.6) ; R13#3.1 28.23,43.05 v1(28.23,46.6) ; v1(83.4,62.23) 86.95,62.23 R13#2.1 ; R13#4.1 28.23,76.05 v1(28.23,79.6)
Net-(U2-QE): length 15.2
  Bottom w0.2: R12#4.1 87.17,63.38 86.67,62.88 v1(83.8,62.88) ; R12.1 29.38,75.83 28.88,76.33 v1(28.88,79.2) ; R12#2.1 29.38,9.83 28.88,10.33 v1(28.88,13.2) ; R12#3.1 29.38,42.83 28.88,43.33 v1(28.88,46.2)
Net-(U2-QF): length 15.2
  Bottom w0.2: R11#3.1 30.98,9.83 29.52,11.28 v1(29.52,12.8) ; v1(29.52,45.8) 29.52,44.28 30.98,42.83 R11.1 ; v1(29.52,78.8) 29.52,77.28 30.98,75.83 R11#4.1 ; v1(84.2,63.52) 85.72,63.52 87.17,64.97 R11#2.1
Net-(U2-QG): length 18.4
  Bottom w0.2: R10#4.1 32.58,9.83 30.17,12.22 v1(30.17,13.2) ; v1(30.17,79.2) 30.17,78.22 32.58,75.83 R10.1 ; v1(30.17,46.2) 30.17,45.22 32.58,42.83 R10#2.1 ; v1(83.8,64.17) 84.78,64.17 87.17,66.58 R10#3.1
Net-(U2-QH): length 24
  Bottom w0.2: v1(83.4,64.83) 84.86,64.83 86.4,66.37 86.4,67.4 87.17,68.17 R9#2.1 ; R9#4.1 34.17,75.83 33.4,76.6 32.37,76.6 30.83,78.14 v1(30.83,79.6) ; v1(30.83,46.6) 30.83,45.14 32.37,43.6 33.4,43.6 34.17,42.83 R9#3.1 ; v1(30.83,13.6) 30.83,12.14 32.37,10.6 33.4,10.6 34.17,9.83 R9.1
Net-(U2-SER): length 42.8
  Top w0.2: U3.9 21.33,46.92 24.2,49.8 27.8,49.8 28.23,50.22 U2.14 ; U3#4.9 21.33,79.92 24.2,82.8 27.8,82.8 28.23,83.22 U2#4.14 ; U2#3.14 79.78,62.23 80.2,61.8 80.2,58.2 83.08,55.33 U3#2.9 ; U2#2.14 28.23,17.22 27.8,16.8 24.2,16.8 21.33,13.92 U3#3.9
Net-(U2-V3): length 4.2
  Bottom w0.2: U2#6.10 71.11,26.31 C2#2.1 ; U2#5.10 71.11,15.31 C2#7.1 ; U2#7.10 71.11,4.31 C2#3.1
Net-(U3-SER): length 65.7
  Top w0.2: U3.14 24.58,46.97 25.8,48.2 28,48.2 28.4,47.8 37.6,47.8 38.12,47.28 U4#4.9 ; U3#4.14 24.58,79.97 25.8,81.2 28,81.2 28.4,80.8 37.6,80.8 38.12,80.28 U4#2.9 ; U4.9 82.72,72.12 82.2,71.6 82.2,62.4 81.8,62 81.8,59.8 83.03,58.58 U3#2.14 ; U3#3.14 24.58,13.97 25.8,15.2 28,15.2 28.4,14.8 37.6,14.8 38.12,14.28 U4#3.9

## Copper pours and planes (outline as drawn; the poured copper is in the pictures)
GND on Top: 64,23 72.6,23 80.6,19 82.6,19 83.4,18.2 87.2,18.2 88,19 90,19 98,23 99,23 99,11 98,11 90,15 88,15 87.2,15.8 83.4,15.8 82.6,15 80.6,15 72.6,11 64,11
GND on Top: 64,34 72.6,34 80.6,30 82.6,30 83.4,29.2 87.2,29.2 88,30 90,30 98,34 99,34 99,22 98,22 90,26 88,26 87.2,26.8 83.4,26.8 82.6,26 80.6,26 72.6,22 64,22
GND on Top, Bottom: 63,12 84,12 84,0 63,0
GND on Top, Bottom: 64,33 98,33 98,99 64,99
GND on Top, Bottom: -1,33 -1,-1 65,-1 65,33
GND on Top, Bottom: -1,66 -1,32 65,32 65,66
GND on Top, Bottom: -1,99 -1,65 65,65 65,99
GND on Bottom: 64,23 99,23 99,11 64,11
GND on Bottom: 64,34 99,34 99,22 64,22
VCC on Top: 71.2,30.8 71.2,25.2 72.4,25.2 74.2,27 79.6,27 80,27.4 82.2,27.4 82.8,28 82.2,28.6 80,28.6 79.6,29 74.2,29 72.4,30.8
VCC on Top: 6.6,44 55.2,44 55.2,54 6.6,54
VCC on Top: 6.6,11 55.2,11 55.2,21 6.6,21
VCC on Top: 6.6,77 55.2,77 55.2,87 6.6,87
VCC on Top: 86,40.6 86,89.2 76,89.2 76,40.6
VCC on Top: 71.2,19.8 71.2,14.2 72.4,14.2 74.2,16 79.6,16 80,16.4 82.2,16.4 82.8,17 82.2,17.6 80,17.6 79.6,18 74.2,18 72.4,19.8
VCC on Bottom: 69.6,20 69.6,17 72.4,17 72.4,20
VCC on Bottom: 72.6,9 69.6,9 69.6,6 72.6,6
VCC on Bottom: 69.6,31 69.6,28 72.4,28 72.4,31

## Text on the board
B.Mask: 4k7 | 0u1 | 1u | TS5A23159 | UART | CH340E | TS5A / 23159 | tinyAVR X06 | matrix x2 / dev board
B.Silkscreen: PA7 | DISP U CTL | NC(U2G) | C_VCC *2 | TS5A / 23159 | PA3 | 1 / 2 / 3 / ... | ... 3RG 2RG 1RG | 8RG 7RG 6RG ... | R_LED / *16 | RC / SER | I2C / PULLUP | 0u1 / 10k / LED / 4k7 | GVDC | B|A | > 4G 4R 3G 3R 2G 2R 1G 1R / _ 5R 5G 6R 6G 7R 7G 8R 8G / _ A1 A2 A3 A4 A5 A6 A7 A8 / _ B1 B2 B3 B4 B5 B6 B7 B8
F.Mask: 4k7 | 10k | ATtnX02 | tinyAVR X02 / @McbeEringi
F.Silkscreen: B3 B2 B1 B0 C0 C1 C2 C3 U  A1 | A2 A3 G  V  A4 A5 A6 A7 B5 B4 | CH340E | JST / ZH | AVR_CTL | LTP-12188M-07 *2 | 74HC595 *4 | AVR_DISP | PA3 | PA7 | JLCJLCJLCJLC
